# KiCad board RP2040-Breadstick.kicad_pcb (continued)
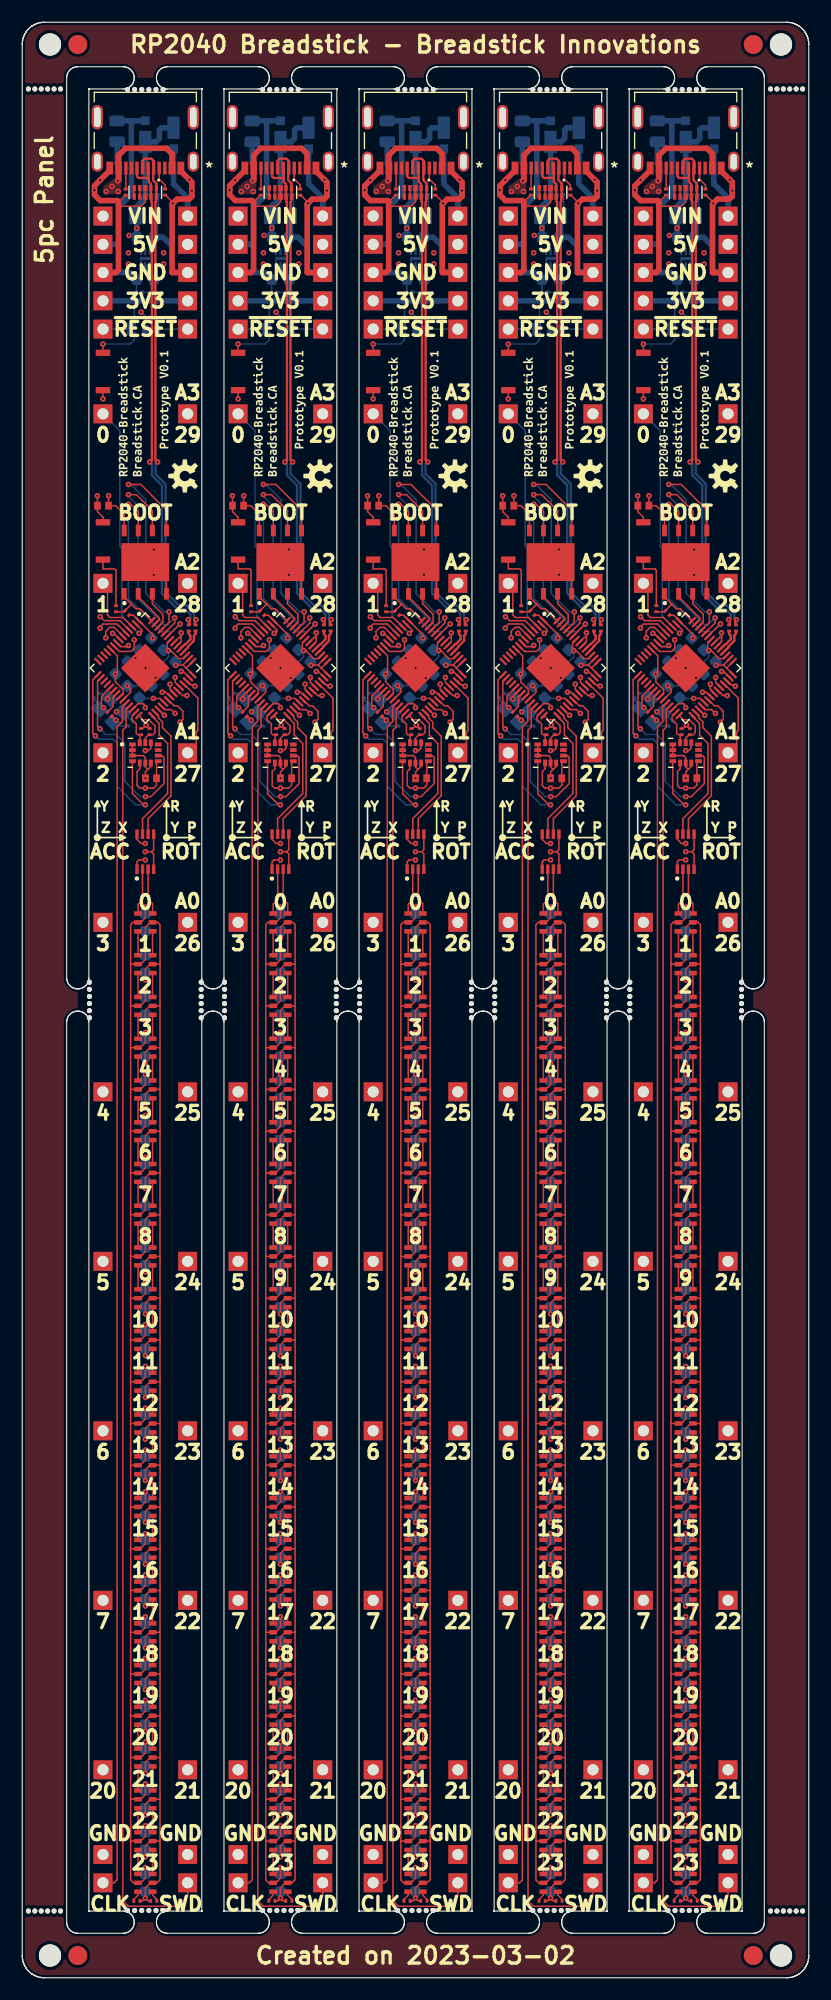
[diagram p0: board, top side]
## Placement (name value [footprint] x y rotation side) (continued)
J219#4  Conn_01x01  [PinHeader_1x01_P2.54mm_Vertical]  39.21 110.14 180 bottom
J219#5  Conn_01x01  [PinHeader_1x01_P2.54mm_Vertical]  27.05 110.14 180 bottom
J220  Conn_01x01  [PinHeader_1x01_P2.54mm_Vertical]  14.89 94.9 180 bottom
J220#2  Conn_01x01  [PinHeader_1x01_P2.54mm_Vertical]  51.37 94.9 180 bottom
J220#3  Conn_01x01  [PinHeader_1x01_P2.54mm_Vertical]  39.21 94.9 180 bottom
J220#4  Conn_01x01  [PinHeader_1x01_P2.54mm_Vertical]  27.05 94.9 180 bottom
J220#5  Conn_01x01  [PinHeader_1x01_P2.54mm_Vertical]  63.53 94.9 180 bottom
J221  2171790001  [USB-C-2171790001]  11.08 166.02 180 top
J221#2  2171790001  [USB-C-2171790001]  23.24 166.02 180 top
J221#3  2171790001  [USB-C-2171790001]  35.4 166.02 180 top
J221#4  2171790001  [USB-C-2171790001]  47.56 166.02 180 top
J221#5  2171790001  [USB-C-2171790001]  59.72 166.02 180 top
J222  Conn_01x01  [PinHeader_1x01_P2.54mm_Vertical]  31.59 148.24 180 bottom
J222#2  Conn_01x01  [PinHeader_1x01_P2.54mm_Vertical]  55.91 148.24 180 bottom
J222#3  Conn_01x01  [PinHeader_1x01_P2.54mm_Vertical]  7.27 148.24 180 bottom
J222#4  Conn_01x01  [PinHeader_1x01_P2.54mm_Vertical]  19.43 148.24 180 bottom
J222#5  Conn_01x01  [PinHeader_1x01_P2.54mm_Vertical]  43.75 148.24 180 bottom
J223  Conn_01x01  [PinHeader_1x01_P2.54mm_Vertical]  7.27 8.54 180 bottom
J223#2  Conn_01x01  [PinHeader_1x01_P2.54mm_Vertical]  19.43 8.54 180 bottom
J223#3  Conn_01x01  [PinHeader_1x01_P2.54mm_Vertical]  55.91 8.54 180 bottom
J223#4  Conn_01x01  [PinHeader_1x01_P2.54mm_Vertical]  43.75 8.54 180 bottom
J223#5  Conn_01x01  [PinHeader_1x01_P2.54mm_Vertical]  31.59 8.54 180 bottom
J224  Conn_01x01  [PinHeader_1x01_P2.54mm_Vertical]  27.05 8.54 180 bottom
J224#2  Conn_01x01  [PinHeader_1x01_P2.54mm_Vertical]  63.53 8.54 180 bottom
J224#3  Conn_01x01  [PinHeader_1x01_P2.54mm_Vertical]  39.21 8.54 180 bottom
J224#4  Conn_01x01  [PinHeader_1x01_P2.54mm_Vertical]  14.89 8.54 180 bottom
J224#5  Conn_01x01  [PinHeader_1x01_P2.54mm_Vertical]  51.37 8.54 180 bottom
J501  Conn_01x01  [PinHeader_1x01_P2.54mm_Vertical]  27.05 158.4 180 bottom
J501#2  Conn_01x01  [PinHeader_1x01_P2.54mm_Vertical]  51.37 158.4 180 bottom
J501#3  Conn_01x01  [PinHeader_1x01_P2.54mm_Vertical]  14.89 158.4 180 bottom
J501#4  Conn_01x01  [PinHeader_1x01_P2.54mm_Vertical]  63.53 158.4 180 bottom
J501#5  Conn_01x01  [PinHeader_1x01_P2.54mm_Vertical]  39.21 158.4 180 bottom
J502  Conn_01x01  [PinHeader_1x01_P2.54mm_Vertical]  7.27 158.4 180 bottom
J502#2  Conn_01x01  [PinHeader_1x01_P2.54mm_Vertical]  19.43 158.4 180 bottom
J502#3  Conn_01x01  [PinHeader_1x01_P2.54mm_Vertical]  43.75 158.4 180 bottom
J502#4  Conn_01x01  [PinHeader_1x01_P2.54mm_Vertical]  55.91 158.4 180 bottom
J502#5  Conn_01x01  [PinHeader_1x01_P2.54mm_Vertical]  31.59 158.4 180 bottom
J503  Conn_01x01  [PinHeader_1x01_P2.54mm_Vertical]  14.89 155.86 180 bottom
J503#2  Conn_01x01  [PinHeader_1x01_P2.54mm_Vertical]  63.53 155.86 180 bottom
J503#3  Conn_01x01  [PinHeader_1x01_P2.54mm_Vertical]  51.37 155.86 180 bottom
J503#4  Conn_01x01  [PinHeader_1x01_P2.54mm_Vertical]  27.05 155.86 180 bottom
J503#5  Conn_01x01  [PinHeader_1x01_P2.54mm_Vertical]  39.21 155.86 180 bottom
J504  Conn_01x01  [PinHeader_1x01_P2.54mm_Vertical]  43.75 155.86 180 bottom
J504#2  Conn_01x01  [PinHeader_1x01_P2.54mm_Vertical]  55.91 155.86 180 bottom
J504#3  Conn_01x01  [PinHeader_1x01_P2.54mm_Vertical]  31.59 155.86 180 bottom
J504#4  Conn_01x01  [PinHeader_1x01_P2.54mm_Vertical]  19.43 155.86 180 bottom
J504#5  Conn_01x01  [PinHeader_1x01_P2.54mm_Vertical]  7.27 155.86 180 bottom
J505  Conn_01x01  [PinHeader_1x01_P2.54mm_Vertical]  31.59 153.32 180 bottom
J505#2  Conn_01x01  [PinHeader_1x01_P2.54mm_Vertical]  55.91 153.32 180 bottom
J505#3  Conn_01x01  [PinHeader_1x01_P2.54mm_Vertical]  43.75 153.32 180 bottom
J505#4  Conn_01x01  [PinHeader_1x01_P2.54mm_Vertical]  19.43 153.32 180 bottom
J505#5  Conn_01x01  [PinHeader_1x01_P2.54mm_Vertical]  7.27 153.32 180 bottom
J506  Conn_01x01  [PinHeader_1x01_P2.54mm_Vertical]  14.89 153.32 180 bottom
J506#2  Conn_01x01  [PinHeader_1x01_P2.54mm_Vertical]  63.53 153.32 180 bottom
J506#3  Conn_01x01  [PinHeader_1x01_P2.54mm_Vertical]  27.05 153.32 180 bottom
J506#4  Conn_01x01  [PinHeader_1x01_P2.54mm_Vertical]  51.37 153.32 180 bottom
J506#5  Conn_01x01  [PinHeader_1x01_P2.54mm_Vertical]  39.21 153.32 180 bottom
J507  Conn_01x01  [PinHeader_1x01_P2.54mm_Vertical]  51.37 150.78 180 bottom
J507#2  Conn_01x01  [PinHeader_1x01_P2.54mm_Vertical]  39.21 150.78 180 bottom
J507#3  Conn_01x01  [PinHeader_1x01_P2.54mm_Vertical]  14.89 150.78 180 bottom
J507#4  Conn_01x01  [PinHeader_1x01_P2.54mm_Vertical]  27.05 150.78 180 bottom
J507#5  Conn_01x01  [PinHeader_1x01_P2.54mm_Vertical]  63.53 150.78 180 bottom
J508  Conn_01x01  [PinHeader_1x01_P2.54mm_Vertical]  19.43 150.78 180 bottom
J508#2  Conn_01x01  [PinHeader_1x01_P2.54mm_Vertical]  55.91 150.78 180 bottom
J508#3  Conn_01x01  [PinHeader_1x01_P2.54mm_Vertical]  7.27 150.78 180 bottom
J508#4  Conn_01x01  [PinHeader_1x01_P2.54mm_Vertical]  43.75 150.78 180 bottom
J508#5  Conn_01x01  [PinHeader_1x01_P2.54mm_Vertical]  31.59 150.78 180 bottom
J509  Conn_01x01  [PinHeader_1x01_P2.54mm_Vertical]  27.05 11.08 180 bottom
J509#2  Conn_01x01  [PinHeader_1x01_P2.54mm_Vertical]  39.21 11.08 180 bottom
J509#3  Conn_01x01  [PinHeader_1x01_P2.54mm_Vertical]  63.53 11.08 180 bottom
J509#4  Conn_01x01  [PinHeader_1x01_P2.54mm_Vertical]  51.37 11.08 180 bottom
J509#5  Conn_01x01  [PinHeader_1x01_P2.54mm_Vertical]  14.89 11.08 180 bottom
J510  Conn_01x01  [PinHeader_1x01_P2.54mm_Vertical]  31.59 11.08 180 bottom
J510#2  Conn_01x01  [PinHeader_1x01_P2.54mm_Vertical]  43.75 11.08 180 bottom
J510#3  Conn_01x01  [PinHeader_1x01_P2.54mm_Vertical]  7.27 11.08 180 bottom
J510#4  Conn_01x01  [PinHeader_1x01_P2.54mm_Vertical]  19.43 11.08 180 bottom
J510#5  Conn_01x01  [PinHeader_1x01_P2.54mm_Vertical]  55.91 11.08 180 bottom
kibuzzard-63FD96C7  G***  [kibuzzard-63FD96C7]  33.37 140.37 90 top
kibuzzard-63FD96C7#2  G***  [kibuzzard-63FD96C7]  21.21 140.37 90 top
kibuzzard-63FD96C7#3  G***  [kibuzzard-63FD96C7]  57.69 140.37 90 top
kibuzzard-63FD96C7#4  G***  [kibuzzard-63FD96C7]  9.05 140.37 90 top
kibuzzard-63FD96C7#5  G***  [kibuzzard-63FD96C7]  45.53 140.37 90 top
kibuzzard-63FD96DD  G***  [kibuzzard-63FD96DD]  22.48 139.1 90 top
kibuzzard-63FD96DD#2  G***  [kibuzzard-63FD96DD]  10.32 139.1 90 top
kibuzzard-63FD96DD#3  G***  [kibuzzard-63FD96DD]  58.96 139.1 90 top
kibuzzard-63FD96DD#4  G***  [kibuzzard-63FD96DD]  34.64 139.1 90 top
kibuzzard-63FD96DD#5  G***  [kibuzzard-63FD96DD]  46.8 139.1 90 top
kibuzzard-63FD96F9  G***  [kibuzzard-63FD96F9]  12.86 141.89 90 top
kibuzzard-63FD96F9#2  G***  [kibuzzard-63FD96F9]  37.18 141.89 90 top
kibuzzard-63FD96F9#3  G***  [kibuzzard-63FD96F9]  25.02 141.89 90 top
kibuzzard-63FD96F9#4  G***  [kibuzzard-63FD96F9]  49.34 141.89 90 top
kibuzzard-63FD96F9#5  G***  [kibuzzard-63FD96F9]  61.5 141.89 90 top
LED301  SK9822  [SK9822-2020]  48.21 94.1 180 top
LED301#2  SK9822  [SK9822-2020]  60.37 94.1 180 top
LED301#3  SK9822  [SK9822-2020]  11.73 94.1 180 top
LED301#4  SK9822  [SK9822-2020]  36.05 94.1 180 top
LED301#5  SK9822  [SK9822-2020]  23.89 94.1 180 top
LED302  SK9822  [SK9822-2020]  60.37 90.34 180 top
LED302#2  SK9822  [SK9822-2020]  48.21 90.34 180 top
LED302#3  SK9822  [SK9822-2020]  11.73 90.34 180 top
LED302#4  SK9822  [SK9822-2020]  36.05 90.34 180 top
LED302#5  SK9822  [SK9822-2020]  23.89 90.34 180 top
LED303  SK9822  [SK9822-2020]  11.73 86.59 180 top
LED303#2  SK9822  [SK9822-2020]  36.05 86.59 180 top
LED303#3  SK9822  [SK9822-2020]  23.89 86.59 180 top
LED303#4  SK9822  [SK9822-2020]  60.37 86.59 180 top
LED303#5  SK9822  [SK9822-2020]  48.21 86.59 180 top
LED304  SK9822  [SK9822-2020]  36.05 82.83 180 top
LED304#2  SK9822  [SK9822-2020]  48.21 82.83 180 top
LED304#3  SK9822  [SK9822-2020]  60.37 82.83 180 top
LED304#4  SK9822  [SK9822-2020]  11.73 82.83 180 top
LED304#5  SK9822  [SK9822-2020]  23.89 82.83 180 top
LED305  SK9822  [SK9822-2020]  11.73 79.08 180 top
LED305#2  SK9822  [SK9822-2020]  48.21 79.08 180 top
LED305#3  SK9822  [SK9822-2020]  36.05 79.08 180 top
LED305#4  SK9822  [SK9822-2020]  23.89 79.08 180 top
LED305#5  SK9822  [SK9822-2020]  60.37 79.08 180 top
LED306  SK9822  [SK9822-2020]  23.89 75.32 180 top
LED306#2  SK9822  [SK9822-2020]  36.05 75.32 180 top
LED306#3  SK9822  [SK9822-2020]  11.73 75.32 180 top
LED306#4  SK9822  [SK9822-2020]  48.21 75.32 180 top
LED306#5  SK9822  [SK9822-2020]  60.37 75.32 180 top
LED307  SK9822  [SK9822-2020]  11.73 71.57 180 top
LED307#2  SK9822  [SK9822-2020]  36.05 71.57 180 top
LED307#3  SK9822  [SK9822-2020]  48.21 71.57 180 top
LED307#4  SK9822  [SK9822-2020]  23.89 71.57 180 top
LED307#5  SK9822  [SK9822-2020]  60.37 71.57 180 top
LED308  SK9822  [SK9822-2020]  48.21 67.81 180 top
LED308#2  SK9822  [SK9822-2020]  11.73 67.81 180 top
LED308#3  SK9822  [SK9822-2020]  23.89 67.81 180 top
LED308#4  SK9822  [SK9822-2020]  36.05 67.81 180 top
LED308#5  SK9822  [SK9822-2020]  60.37 67.81 180 top
LED309  SK9822  [SK9822-2020]  48.21 64.06 180 top
LED309#2  SK9822  [SK9822-2020]  60.37 64.06 180 top
LED309#3  SK9822  [SK9822-2020]  11.73 64.06 180 top
LED309#4  SK9822  [SK9822-2020]  23.89 64.06 180 top
LED309#5  SK9822  [SK9822-2020]  36.05 64.06 180 top
LED310  SK9822  [SK9822-2020]  48.21 60.3 180 top
LED310#2  SK9822  [SK9822-2020]  36.05 60.3 180 top
LED310#3  SK9822  [SK9822-2020]  11.73 60.3 180 top
LED310#4  SK9822  [SK9822-2020]  23.89 60.3 180 top
LED310#5  SK9822  [SK9822-2020]  60.37 60.3 180 top
LED311  SK9822  [SK9822-2020]  11.73 56.55 180 top
LED311#2  SK9822  [SK9822-2020]  36.05 56.55 180 top
LED311#3  SK9822  [SK9822-2020]  48.21 56.55 180 top
LED311#4  SK9822  [SK9822-2020]  60.37 56.55 180 top
LED311#5  SK9822  [SK9822-2020]  23.89 56.55 180 top
LED312  SK9822  [SK9822-2020]  36.05 52.79 180 top
LED312#2  SK9822  [SK9822-2020]  23.89 52.79 180 top
LED312#3  SK9822  [SK9822-2020]  60.37 52.79 180 top
LED312#4  SK9822  [SK9822-2020]  48.21 52.79 180 top
LED312#5  SK9822  [SK9822-2020]  11.73 52.79 180 top
LED313  SK9822  [SK9822-2020]  23.89 49.04 180 top
LED313#2  SK9822  [SK9822-2020]  48.21 49.04 180 top
LED313#3  SK9822  [SK9822-2020]  60.37 49.04 180 top
LED313#4  SK9822  [SK9822-2020]  11.73 49.04 180 top
LED313#5  SK9822  [SK9822-2020]  36.05 49.04 180 top
LED314  SK9822  [SK9822-2020]  60.37 45.28 180 top
LED314#2  SK9822  [SK9822-2020]  48.21 45.28 180 top
LED314#3  SK9822  [SK9822-2020]  23.89 45.28 180 top
LED314#4  SK9822  [SK9822-2020]  11.73 45.28 180 top
LED314#5  SK9822  [SK9822-2020]  36.05 45.28 180 top
LED315  SK9822  [SK9822-2020]  23.89 41.53 180 top
LED315#2  SK9822  [SK9822-2020]  36.05 41.53 180 top
LED315#3  SK9822  [SK9822-2020]  60.37 41.53 180 top
LED315#4  SK9822  [SK9822-2020]  48.21 41.53 180 top
LED315#5  SK9822  [SK9822-2020]  11.73 41.53 180 top
LED316  SK9822  [SK9822-2020]  23.89 37.77 180 top
LED316#2  SK9822  [SK9822-2020]  11.73 37.77 180 top
LED316#3  SK9822  [SK9822-2020]  60.37 37.77 180 top
LED316#4  SK9822  [SK9822-2020]  48.21 37.77 180 top
LED316#5  SK9822  [SK9822-2020]  36.05 37.77 180 top
LED317  SK9822  [SK9822-2020]  48.21 34.02 180 top
LED317#2  SK9822  [SK9822-2020]  36.05 34.02 180 top
LED317#3  SK9822  [SK9822-2020]  23.89 34.02 180 top
LED317#4  SK9822  [SK9822-2020]  11.73 34.02 180 top
LED317#5  SK9822  [SK9822-2020]  60.37 34.02 180 top
LED318  SK9822  [SK9822-2020]  60.37 30.26 180 top
LED318#2  SK9822  [SK9822-2020]  11.73 30.26 180 top
LED318#3  SK9822  [SK9822-2020]  23.89 30.26 180 top
LED318#4  SK9822  [SK9822-2020]  48.21 30.26 180 top
LED318#5  SK9822  [SK9822-2020]  36.05 30.26 180 top
LED319  SK9822  [SK9822-2020]  11.73 26.51 180 top
LED319#2  SK9822  [SK9822-2020]  48.21 26.51 180 top
LED319#3  SK9822  [SK9822-2020]  23.89 26.51 180 top
LED319#4  SK9822  [SK9822-2020]  36.05 26.51 180 top
LED319#5  SK9822  [SK9822-2020]  60.37 26.51 180 top
LED320  SK9822  [SK9822-2020]  36.05 22.75 180 top
LED320#2  SK9822  [SK9822-2020]  60.37 22.75 180 top
LED320#3  SK9822  [SK9822-2020]  23.89 22.75 180 top
LED320#4  SK9822  [SK9822-2020]  48.21 22.75 180 top
LED320#5  SK9822  [SK9822-2020]  11.73 22.75 180 top
LED321  SK9822  [SK9822-2020]  60.37 19 180 top
LED321#2  SK9822  [SK9822-2020]  36.05 19 180 top
LED321#3  SK9822  [SK9822-2020]  11.73 19 180 top
LED321#4  SK9822  [SK9822-2020]  23.89 19 180 top
LED321#5  SK9822  [SK9822-2020]  48.21 19 180 top
LED322  SK9822  [SK9822-2020]  36.05 15.24 180 top
LED322#2  SK9822  [SK9822-2020]  48.21 15.24 180 top
LED322#3  SK9822  [SK9822-2020]  60.37 15.24 180 top
LED322#4  SK9822  [SK9822-2020]  11.73 15.24 180 top
LED322#5  SK9822  [SK9822-2020]  23.89 15.24 180 top
LED323  SK9822  [SK9822-2020]  11.73 11.49 180 top
LED323#2  SK9822  [SK9822-2020]  36.05 11.49 180 top
LED323#3  SK9822  [SK9822-2020]  48.21 11.49 180 top
LED323#4  SK9822  [SK9822-2020]  23.89 11.49 180 top
LED323#5  SK9822  [SK9822-2020]  60.37 11.49 180 top
LED324  SK9822  [SK9822-2020]  36.05 7.74 180 top
LED324#2  SK9822  [SK9822-2020]  48.21 7.74 180 top
LED324#3  SK9822  [SK9822-2020]  11.73 7.74 180 top
LED324#4  SK9822  [SK9822-2020]  23.89 7.74 180 top
LED324#5  SK9822  [SK9822-2020]  60.37 7.74 180 top
NOREF  -  [OSHW-LOGO-S]  26.8 135.03 90 top
NOREF#2  -  [OSHW-LOGO-S]  14.64 135.03 90 top
NOREF#3  -  [OSHW-LOGO-S]  51.12 135.03 90 top
NOREF#4  -  [OSHW-LOGO-S]  38.96 135.03 90 top
NOREF#5  -  [OSHW-LOGO-S]  63.28 135.03 90 top
R201  1k 0201  [Perfect_0201_Resistor]  32.18 113.61 225 top
R201#2  1k 0201  [Perfect_0201_Resistor]  44.34 113.61 225 top
R201#3  1k 0201  [Perfect_0201_Resistor]  20.02 113.61 225 top
R201#4  1k 0201  [Perfect_0201_Resistor]  7.86 113.61 225 top
R201#5  1k 0201  [Perfect_0201_Resistor]  56.5 113.61 225 top
R202  27Ω 0201  [Perfect_0201_Resistor]  64.24 121.37 180 top
R202#2  27Ω 0201  [Perfect_0201_Resistor]  27.76 121.37 180 top
R202#3  27Ω 0201  [Perfect_0201_Resistor]  39.92 121.37 180 top
R202#4  27Ω 0201  [Perfect_0201_Resistor]  15.6 121.37 180 top
R202#5  27Ω 0201  [Perfect_0201_Resistor]  52.08 121.37 180 top
R203  27Ω 0201  [Perfect_0201_Resistor]  39.31 121.37 180 top
R203#2  27Ω 0201  [Perfect_0201_Resistor]  51.47 121.37 180 top
R203#3  27Ω 0201  [Perfect_0201_Resistor]  14.99 121.37 180 top
R203#4  27Ω 0201  [Perfect_0201_Resistor]  63.63 121.37 180 top
R203#5  27Ω 0201  [Perfect_0201_Resistor]  27.15 121.37 180 top
R204  1k 0201  [Perfect_0201_Resistor]  20.6 123.09 0 top
R204#2  1k 0201  [Perfect_0201_Resistor]  44.92 123.09 0 top
R204#3  1k 0201  [Perfect_0201_Resistor]  32.76 123.09 0 top
R204#4  1k 0201  [Perfect_0201_Resistor]  8.44 123.09 0 top
R204#5  1k 0201  [Perfect_0201_Resistor]  57.08 123.09 0 top
R205  10k 0201  [Perfect_0201_Resistor]  33.75 122.71 225 top
R205#2  10k 0201  [Perfect_0201_Resistor]  45.91 122.71 225 top
R205#3  10k 0201  [Perfect_0201_Resistor]  9.43 122.71 225 top
R205#4  10k 0201  [Perfect_0201_Resistor]  58.07 122.71 225 top
R205#5  10k 0201  [Perfect_0201_Resistor]  21.59 122.71 225 top
R206  5k1 0201  [Perfect_0201_Resistor]  9.3 160.56 0 top
R206#2  5k1 0201  [Perfect_0201_Resistor]  45.78 160.56 0 top
R206#3  5k1 0201  [Perfect_0201_Resistor]  21.46 160.56 0 top
R206#4  5k1 0201  [Perfect_0201_Resistor]  33.62 160.56 0 top
R206#5  5k1 0201  [Perfect_0201_Resistor]  57.94 160.56 0 top
R207  5k1 0201  [Perfect_0201_Resistor]  25.02 160.56 0 top
R207#2  5k1 0201  [Perfect_0201_Resistor]  49.34 160.56 0 top
R207#3  5k1 0201  [Perfect_0201_Resistor]  12.86 160.56 0 top
R207#4  5k1 0201  [Perfect_0201_Resistor]  61.5 160.56 0 top
R207#5  5k1 0201  [Perfect_0201_Resistor]  37.18 160.56 0 top
R208  10k 0201  [Perfect_0201_Resistor]  34.13 148.62 90 bottom
R208#2  10k 0201  [Perfect_0201_Resistor]  21.97 148.62 90 bottom
R208#3  10k 0201  [Perfect_0201_Resistor]  9.81 148.62 90 bottom
R208#4  10k 0201  [Perfect_0201_Resistor]  46.29 148.62 90 bottom
R208#5  10k 0201  [Perfect_0201_Resistor]  58.45 148.62 90 bottom
R209  1k 0201  [Perfect_0201_Resistor]  59.34 112.05 180 top
R209#2  1k 0201  [Perfect_0201_Resistor]  22.86 112.05 180 top
R209#3  1k 0201  [Perfect_0201_Resistor]  35.02 112.05 180 top
R209#4  1k 0201  [Perfect_0201_Resistor]  47.18 112.05 180 top
R209#5  1k 0201  [Perfect_0201_Resistor]  10.7 112.05 180 top
R210  1k 0201  [Perfect_0201_Resistor]  23.62 112.05 180 top
R210#2  1k 0201  [Perfect_0201_Resistor]  47.94 112.05 180 top
R210#3  1k 0201  [Perfect_0201_Resistor]  35.78 112.05 180 top
R210#4  1k 0201  [Perfect_0201_Resistor]  60.1 112.05 180 top
R210#5  1k 0201  [Perfect_0201_Resistor]  11.46 112.05 180 top
R211  1k 0201  [Perfect_0201_Resistor]  9.81 147.86 90 bottom
R211#2  1k 0201  [Perfect_0201_Resistor]  21.97 147.86 90 bottom
R211#3  1k 0201  [Perfect_0201_Resistor]  34.13 147.86 90 bottom
R211#4  1k 0201  [Perfect_0201_Resistor]  58.45 147.86 90 bottom
R211#5  1k 0201  [Perfect_0201_Resistor]  46.29 147.86 90 bottom
R304  10k 0201  [Perfect_0201_Resistor]  22.48 6.91 90 top
R304#2  10k 0201  [Perfect_0201_Resistor]  10.32 6.91 90 top
R304#3  10k 0201  [Perfect_0201_Resistor]  46.8 6.91 90 top
R304#4  10k 0201  [Perfect_0201_Resistor]  58.96 6.91 90 top
R304#5  10k 0201  [Perfect_0201_Resistor]  34.64 6.91 90 top
R305  10k 0201  [Perfect_0201_Resistor]  36.16 6.91 270 top
R305#2  10k 0201  [Perfect_0201_Resistor]  11.84 6.91 270 top
R305#3  10k 0201  [Perfect_0201_Resistor]  24 6.91 270 top
R305#4  10k 0201  [Perfect_0201_Resistor]  48.32 6.91 270 top
R305#5  10k 0201  [Perfect_0201_Resistor]  60.48 6.91 270 top
R501  1k 0201  [Perfect_0201_Resistor]  36.29 160.31 90 bottom
R501#2  1k 0201  [Perfect_0201_Resistor]  48.45 160.31 90 bottom
R501#3  1k 0201  [Perfect_0201_Resistor]  60.61 160.31 90 bottom
R501#4  1k 0201  [Perfect_0201_Resistor]  24.13 160.31 90 bottom
R501#5  1k 0201  [Perfect_0201_Resistor]  11.97 160.31 90 bottom
R502  1k 0201  [Perfect_0201_Resistor]  10.57 151.54 270 bottom
R502#2  1k 0201  [Perfect_0201_Resistor]  47.05 151.54 270 bottom
R502#3  1k 0201  [Perfect_0201_Resistor]  59.21 151.54 270 bottom
R502#4  1k 0201  [Perfect_0201_Resistor]  22.73 151.54 270 bottom
R502#5  1k 0201  [Perfect_0201_Resistor]  34.89 151.54 270 bottom
REF**  -  [NPTH]  42.53 89.52 0 top
REF**#2  -  [NPTH]  28.27 86.96 0 top
REF**#3  -  [NPTH]  47.24 169.78 0 top
REF**#4  -  [NPTH]  69.67 169.83 0 top
REF**#5  -  [NPTH]  54.69 87.6 0 top
REF**#6  -  [NPTH]  42.53 86.32 0 top
REF**#7  -  [NPTH]  1.71 169.83 0 top
REF**#8  -  [NPTH]  24.2 6.05 0 top
REF**#9  -  [NPTH]  49.16 169.78 0 top
REF**#10  -  [NPTH]  42.53 88.24 0 top
REF**#11  -  [NPTH]  30.37 89.52 0 top
REF**#12  -  [NPTH]  54.69 89.52 0 top
REF**#13  -  [NPTH]  30.37 88.24 0 top
REF**#14  -  [NPTH]  30.37 88.88 0 top
REF**#15  -  [NPTH]  64.75 88.24 0 top
REF**#16  -  [NPTH]  68.51 169.83 0 top
REF**#17  -  [Fiducial]  65.8 173.83 0 top
REF**#18  -  [NPTH]  18.21 88.88 0 top
REF**#19  -  [NPTH]  64.75 89.52 0 top
REF**#20  -  [NPTH]  10.12 169.78 0 top
REF**#21  -  [NPTH]  34.44 169.78 0 top
REF**#22  -  [NPTH]  67.93 169.83 0 top
REF**#23  -  [NPTH]  54.69 88.24 0 top
REF**#24  -  [NPTH]  52.59 87.6 0 top
REF**#25  -  [NPTH]  40.43 88.24 0 top
REF**#26  -  [NPTH]  2.87 6 0 top
REF**#27  -  [NPTH]  64.75 86.32 0 top
REF**#28  -  [NPTH]  28.27 88.24 0 top
REF**#29  -  [NPTH]  64.75 88.88 0 top
REF**#30  -  [NPTH]  30.37 87.6 0 top
REF**#31  -  [NPTH]  21.64 6.05 0 top
REF**#32  -  [NPTH]  67.36 6 0 top
REF**#33  -  [NPTH]  18.21 86.32 0 top
REF**#34  -  [NPTH]  48.52 169.78 0 top
REF**#35  -  [NPTH]  45.96 6.05 0 top
REF**#36  -  [NPTH]  0.56 6 0 top
REF**#37  -  [NPTH]  28.27 86.32 0 top
REF**#38  -  [NPTH]  11.4 169.78 0 top
REF**#39  -  [NPTH]  11.4 6.05 0 top
REF**#40  -  [NPTH]  36.36 169.78 0 top
REF**#41  -  [NPTH]  60.04 169.78 0 top
REF**#42  -  [NPTH]  70.24 6 0 top
REF**#43  -  [NPTH]  42.53 86.96 0 top
REF**#44  -  [NPTH]  35.08 169.78 0 top
REF**#45  -  [NPTH]  64.75 86.96 0 top
REF**#46  -  [NPTH]  6.05 88.24 0 top
REF**#47  -  [NPTH#2]  68.3 173.83 0 top
REF**#48  -  [NPTH]  59.4 169.78 0 top
REF**#49  -  [NPTH]  2.87 169.83 0 top
REF**#50  -  [NPTH]  46.6 169.78 0 top
REF**#51  -  [NPTH]  69.09 169.83 0 top
REF**#52  -  [NPTH]  16.11 88.88 0 top
REF**#53  -  [NPTH]  16.11 89.52 0 top
REF**#54  -  [NPTH]  16.11 86.96 0 top
REF**#55  -  [Fiducial]  5 2 0 top
REF**#56  -  [NPTH]  12.04 169.78 0 top
REF**#57  -  [NPTH]  24.84 6.05 0 top
REF**#58  -  [NPTH]  58.12 6.05 0 top
REF**#59  -  [NPTH]  12.04 6.05 0 top
REF**#60  -  [NPTH]  1.13 169.83 0 top
REF**#61  -  [NPTH]  58.76 169.78 0 top
REF**#62  -  [NPTH]  6.05 88.88 0 top
REF**#63  -  [NPTH]  60.04 6.05 0 top
REF**#64  -  [NPTH]  35.72 6.05 0 top
REF**#65  -  [NPTH#2]  2.5 2 0 top
REF**#66  -  [NPTH]  18.21 88.24 0 top
REF**#67  -  [NPTH]  48.52 6.05 0 top
REF**#68  -  [NPTH]  1.13 6 0 top
REF**#69  -  [NPTH]  37 6.05 0 top
REF**#70  -  [NPTH]  52.59 86.32 0 top
REF**#71  -  [NPTH]  60.68 169.78 0 top
REF**#72  -  [NPTH]  12.68 6.05 0 top
REF**#73  -  [NPTH]  35.72 169.78 0 top
REF**#74  -  [NPTH]  6.05 87.6 0 top
REF**#75  -  [NPTH]  9.48 6.05 0 top
REF**#76  -  [NPTH#2]  68.3 2 0 top
REF**#77  -  [NPTH]  18.21 87.6 0 top
REF**#78  -  [NPTH]  22.28 169.78 0 top
REF**#79  -  [NPTH]  60.68 6.05 0 top
REF**#80  -  [NPTH]  67.93 6 0 top
REF**#81  -  [NPTH]  42.53 87.6 0 top
REF**#82  -  [NPTH]  36.36 6.05 0 top
REF**#83  -  [NPTH]  46.6 6.05 0 top
REF**#84  -  [NPTH]  40.43 87.6 0 top
REF**#85  -  [NPTH]  22.92 6.05 0 top
REF**#86  -  [NPTH]  35.08 6.05 0 top
REF**#87  -  [NPTH#2]  2.5 173.83 0 top
REF**#88  -  [NPTH]  6.05 86.96 0 top
REF**#89  -  [NPTH]  12.68 169.78 0 top
REF**#90  -  [NPTH]  58.12 169.78 0 top
REF**#91  -  [NPTH]  22.28 6.05 0 top
REF**#92  -  [NPTH]  52.59 86.96 0 top
REF**#93  -  [NPTH]  58.76 6.05 0 top
REF**#94  -  [NPTH]  52.59 88.88 0 top
REF**#95  -  [NPTH]  40.43 88.88 0 top
REF**#96  -  [NPTH]  34.44 6.05 0 top
REF**#97  -  [NPTH]  69.67 6 0 top
REF**#98  -  [NPTH]  18.21 89.52 0 top
REF**#99  -  [NPTH]  21.64 169.78 0 top
REF**#100  -  [NPTH]  3.44 6 0 top
REF**#101  -  [NPTH]  28.27 87.6 0 top
REF**#102  -  [NPTH]  47.88 6.05 0 top
REF**#103  -  [NPTH]  33.8 169.78 0 top
REF**#104  -  [Fiducial]  65.8 2 0 top
REF**#105  -  [NPTH]  47.88 169.78 0 top
REF**#106  -  [NPTH]  61.32 6.05 0 top
REF**#107  -  [NPTH]  16.11 87.6 0 top
REF**#108  -  [NPTH]  23.56 6.05 0 top
REF**#109  -  [NPTH]  52.59 89.52 0 top
REF**#110  -  [NPTH]  24.2 169.78 0 top
REF**#111  -  [NPTH]  54.69 86.96 0 top
REF**#112  -  [NPTH]  24.84 169.78 0 top
REF**#113  -  [NPTH]  22.92 169.78 0 top
REF**#114  -  [NPTH]  16.11 88.24 0 top
REF**#115  -  [NPTH]  45.96 169.78 0 top
REF**#116  -  [NPTH]  23.56 169.78 0 top
REF**#117  -  [NPTH]  33.8 6.05 0 top
REF**#118  -  [NPTH]  47.24 6.05 0 top
REF**#119  -  [NPTH]  16.11 86.32 0 top
REF**#120  -  [Fiducial]  5 173.83 0 top
REF**#121  -  [NPTH]  6.05 89.52 0 top
REF**#122  -  [NPTH]  70.24 169.83 0 top
REF**#123  -  [NPTH]  40.43 89.52 0 top
REF**#124  -  [NPTH]  37 169.78 0 top
REF**#125  -  [NPTH]  10.76 6.05 0 top
REF**#126  -  [NPTH]  0.56 169.83 0 top
REF**#127  -  [NPTH]  9.48 169.78 0 top
REF**#128  -  [NPTH]  28.27 88.88 0 top
REF**#129  -  [NPTH]  18.21 86.96 0 top
REF**#130  -  [NPTH]  42.53 88.88 0 top
REF**#131  -  [NPTH]  30.37 86.96 0 top
REF**#132  -  [NPTH]  10.76 169.78 0 top
REF**#133  -  [NPTH]  2.29 169.83 0 top
REF**#134  -  [NPTH]  54.69 86.32 0 top
REF**#135  -  [NPTH]  40.43 86.96 0 top
REF**#136  -  [NPTH]  54.69 88.88 0 top
REF**#137  -  [NPTH]  3.44 169.83 0 top
REF**#138  -  [NPTH]  2.29 6 0 top
REF**#139  -  [NPTH]  59.4 6.05 0 top
REF**#140  -  [NPTH]  10.12 6.05 0 top
REF**#141  -  [NPTH]  64.75 87.6 0 top
REF**#142  -  [NPTH]  49.16 6.05 0 top
REF**#143  -  [NPTH]  69.09 6 0 top
REF**#144  -  [NPTH]  1.71 6 0 top
REF**#145  -  [NPTH]  61.32 169.78 0 top
REF**#146  -  [NPTH]  52.59 88.24 0 top
REF**#147  -  [NPTH]  28.27 89.52 0 top
REF**#148  -  [NPTH]  30.37 86.32 0 top
REF**#149  -  [NPTH]  40.43 86.32 0 top
REF**#150  -  [NPTH]  6.05 86.32 0 top
REF**#151  -  [NPTH]  68.51 6 0 top
REF**#152  -  [NPTH]  67.36 169.83 0 top
REF**#153  -  [Fiducial]  65.8 2 0 bottom
REF**#154  -  [Fiducial]  5 173.83 0 bottom
REF**#155  -  [Fiducial]  65.8 173.83 0 bottom
REF**#156  -  [Fiducial]  5 2 0 bottom
SW201  ~{USB_BOOT}  [R-667995]  19.43 129.19 270 top
SW201#2  ~{USB_BOOT}  [R-667995]  31.59 129.19 270 top
SW201#3  ~{USB_BOOT}  [R-667995]  7.27 129.19 270 top
SW201#4  ~{USB_BOOT}  [R-667995]  43.75 129.19 270 top
SW201#5  ~{USB_BOOT}  [R-667995]  55.91 129.19 270 top
SW202  ~{RESET}  [R-667995]  55.91 144.43 90 top
SW202#2  ~{RESET}  [R-667995]  31.59 144.43 90 top
SW202#3  ~{RESET}  [R-667995]  19.43 144.43 90 top
SW202#4  ~{RESET}  [R-667995]  7.27 144.43 90 top
SW202#5  ~{RESET}  [R-667995]  43.75 144.43 90 top
U201  RP2040  [QFN40P700X700X90-57N]  47.56 117.76 315 top
U201#2  RP2040  [QFN40P700X700X90-57N]  35.4 117.76 315 top
U201#3  RP2040  [QFN40P700X700X90-57N]  11.08 117.76 315 top
U201#4  RP2040  [QFN40P700X700X90-57N]  59.72 117.76 315 top
U201#5  RP2040  [QFN40P700X700X90-57N]  23.24 117.76 315 top
U202  TPD4E05U06DQAR  [TI_TPD4E05U06DQAR]  35.4 160.53 270 top
U202#2  TPD4E05U06DQAR  [TI_TPD4E05U06DQAR]  23.24 160.53 270 top
U202#3  TPD4E05U06DQAR  [TI_TPD4E05U06DQAR]  47.56 160.53 270 top
U202#4  TPD4E05U06DQAR  [TI_TPD4E05U06DQAR]  11.08 160.53 270 top
U202#5  TPD4E05U06DQAR  [TI_TPD4E05U06DQAR]  59.72 160.53 270 top
U203  W25Q128JVPIQ TR  [W25Q128JVPIQ-TR]  23.24 127.29 90 top
U203#2  W25Q128JVPIQ TR  [W25Q128JVPIQ-TR]  11.08 127.29 90 top
U203#3  W25Q128JVPIQ TR  [W25Q128JVPIQ-TR]  47.56 127.29 90 top
U203#4  W25Q128JVPIQ TR  [W25Q128JVPIQ-TR]  35.4 127.29 90 top
U203#5  W25Q128JVPIQ TR  [W25Q128JVPIQ-TR]  59.72 127.29 90 top
U401  LSM6DSMTR  [PQFN50P300X250X86-14N]  11.08 110.14 0 top
U401#2  LSM6DSMTR  [PQFN50P300X250X86-14N]  59.72 110.14 0 top
U401#3  LSM6DSMTR  [PQFN50P300X250X86-14N]  47.56 110.14 0 top
U401#4  LSM6DSMTR  [PQFN50P300X250X86-14N]  35.4 110.14 0 top
U401#5  LSM6DSMTR  [PQFN50P300X250X86-14N]  23.24 110.14 0 top
U501  MIC5528-3.3YMT-TR  [SON40P120X120X60-7N]  47.56 154.59 90 bottom
U501#2  MIC5528-3.3YMT-TR  [SON40P120X120X60-7N]  35.4 154.59 90 bottom
U501#3  MIC5528-3.3YMT-TR  [SON40P120X120X60-7N]  23.24 154.59 90 bottom
U501#4  MIC5528-3.3YMT-TR  [SON40P120X120X60-7N]  11.08 154.59 90 bottom
U501#5  MIC5528-3.3YMT-TR  [SON40P120X120X60-7N]  59.72 154.59 90 bottom
Y201  12MHz  [XTAL_ECS-120-10-36Q-ES-TR]  20.17 113.92 315 bottom
Y201#2  12MHz  [XTAL_ECS-120-10-36Q-ES-TR]  56.65 113.92 315 bottom
Y201#3  12MHz  [XTAL_ECS-120-10-36Q-ES-TR]  8.01 113.92 315 bottom
Y201#4  12MHz  [XTAL_ECS-120-10-36Q-ES-TR]  44.49 113.92 315 bottom
Y201#5  12MHz  [XTAL_ECS-120-10-36Q-ES-TR]  32.33 113.92 315 bottom

## Library data of the parts
C201 C201#2-C201#5 C203 C203#2-C203#5 = -: Digikey: 490-GRM0335C1H100FA01JDKR-ND
C202 C202#2-C202#5 C204 C204#2-C204#5 C205 C205#2-C205#5 C206 C206#2-C206#5 C210 C210#2-C210#5 C211 C211#2-C211#5 C303 C303#2-C303#5 C304 C304#2-C304#5 C305 C305#2-C305#5 C306 C306#2-C306#5 C307 C307#2-C307#5 C308 C308#2-C308#5 C309 C309#2-C309#5 C310 C310#2-C310#5 C311 C311#2-C311#5 C312 C312#2-C312#5 C313 C313#2-C313#5 C314 C314#2-C314#5 C315 C315#2-C315#5 C316 C316#2-C316#5 C317 C317#2-C317#5 C318 C318#2-C318#5 C319 C319#2-C319#5 C320 C320#2-C320#5 C321 C321#2-C321#5 C322 C322#2-C322#5 C323 C323#2-C323#5 C324 C324#2-C324#5 C325 C325#2-C325#5 C326 C326#2-C326#5 C502 C502#2-C502#5 C503 C503#2-C503#5 = -: Digikey: 1276-1134-6-ND
C207 C207#2-C207#5 C216 C216#2-C216#5 C401 C401#2-C401#5 = -: Digikey: 1276-1076-6-ND
C501 C501#2-C501#5 = -: Digikey: 478-4696-6-ND
D501 D501#2-D501#5 D502 D502#2-D502#5 = -: Digikey: V2PL45HM3/HGIDKR-ND
F501 F501#2-F501#5 = -: Digikey: 283-PTSLR08058V400DKR-ND
IC301 IC301#2-IC301#5 = -: Description: 74AXP2T45 - 2-bit dual supply translating transceiver; 3-state@en-us; Height: 1; Manufacturer_Name: Nexperia; Mouser Part Number: 771-74AXP2T45DCH; Mouser Price/Stock: https://www.mouser.co.uk/ProductDetail/Nexperia/74AXP2T45DCH?qs=zW32dvEIR3sxrLVo3YcFTw%3D%3D
